# KiCad board Djinn.kicad_pcb (continued)
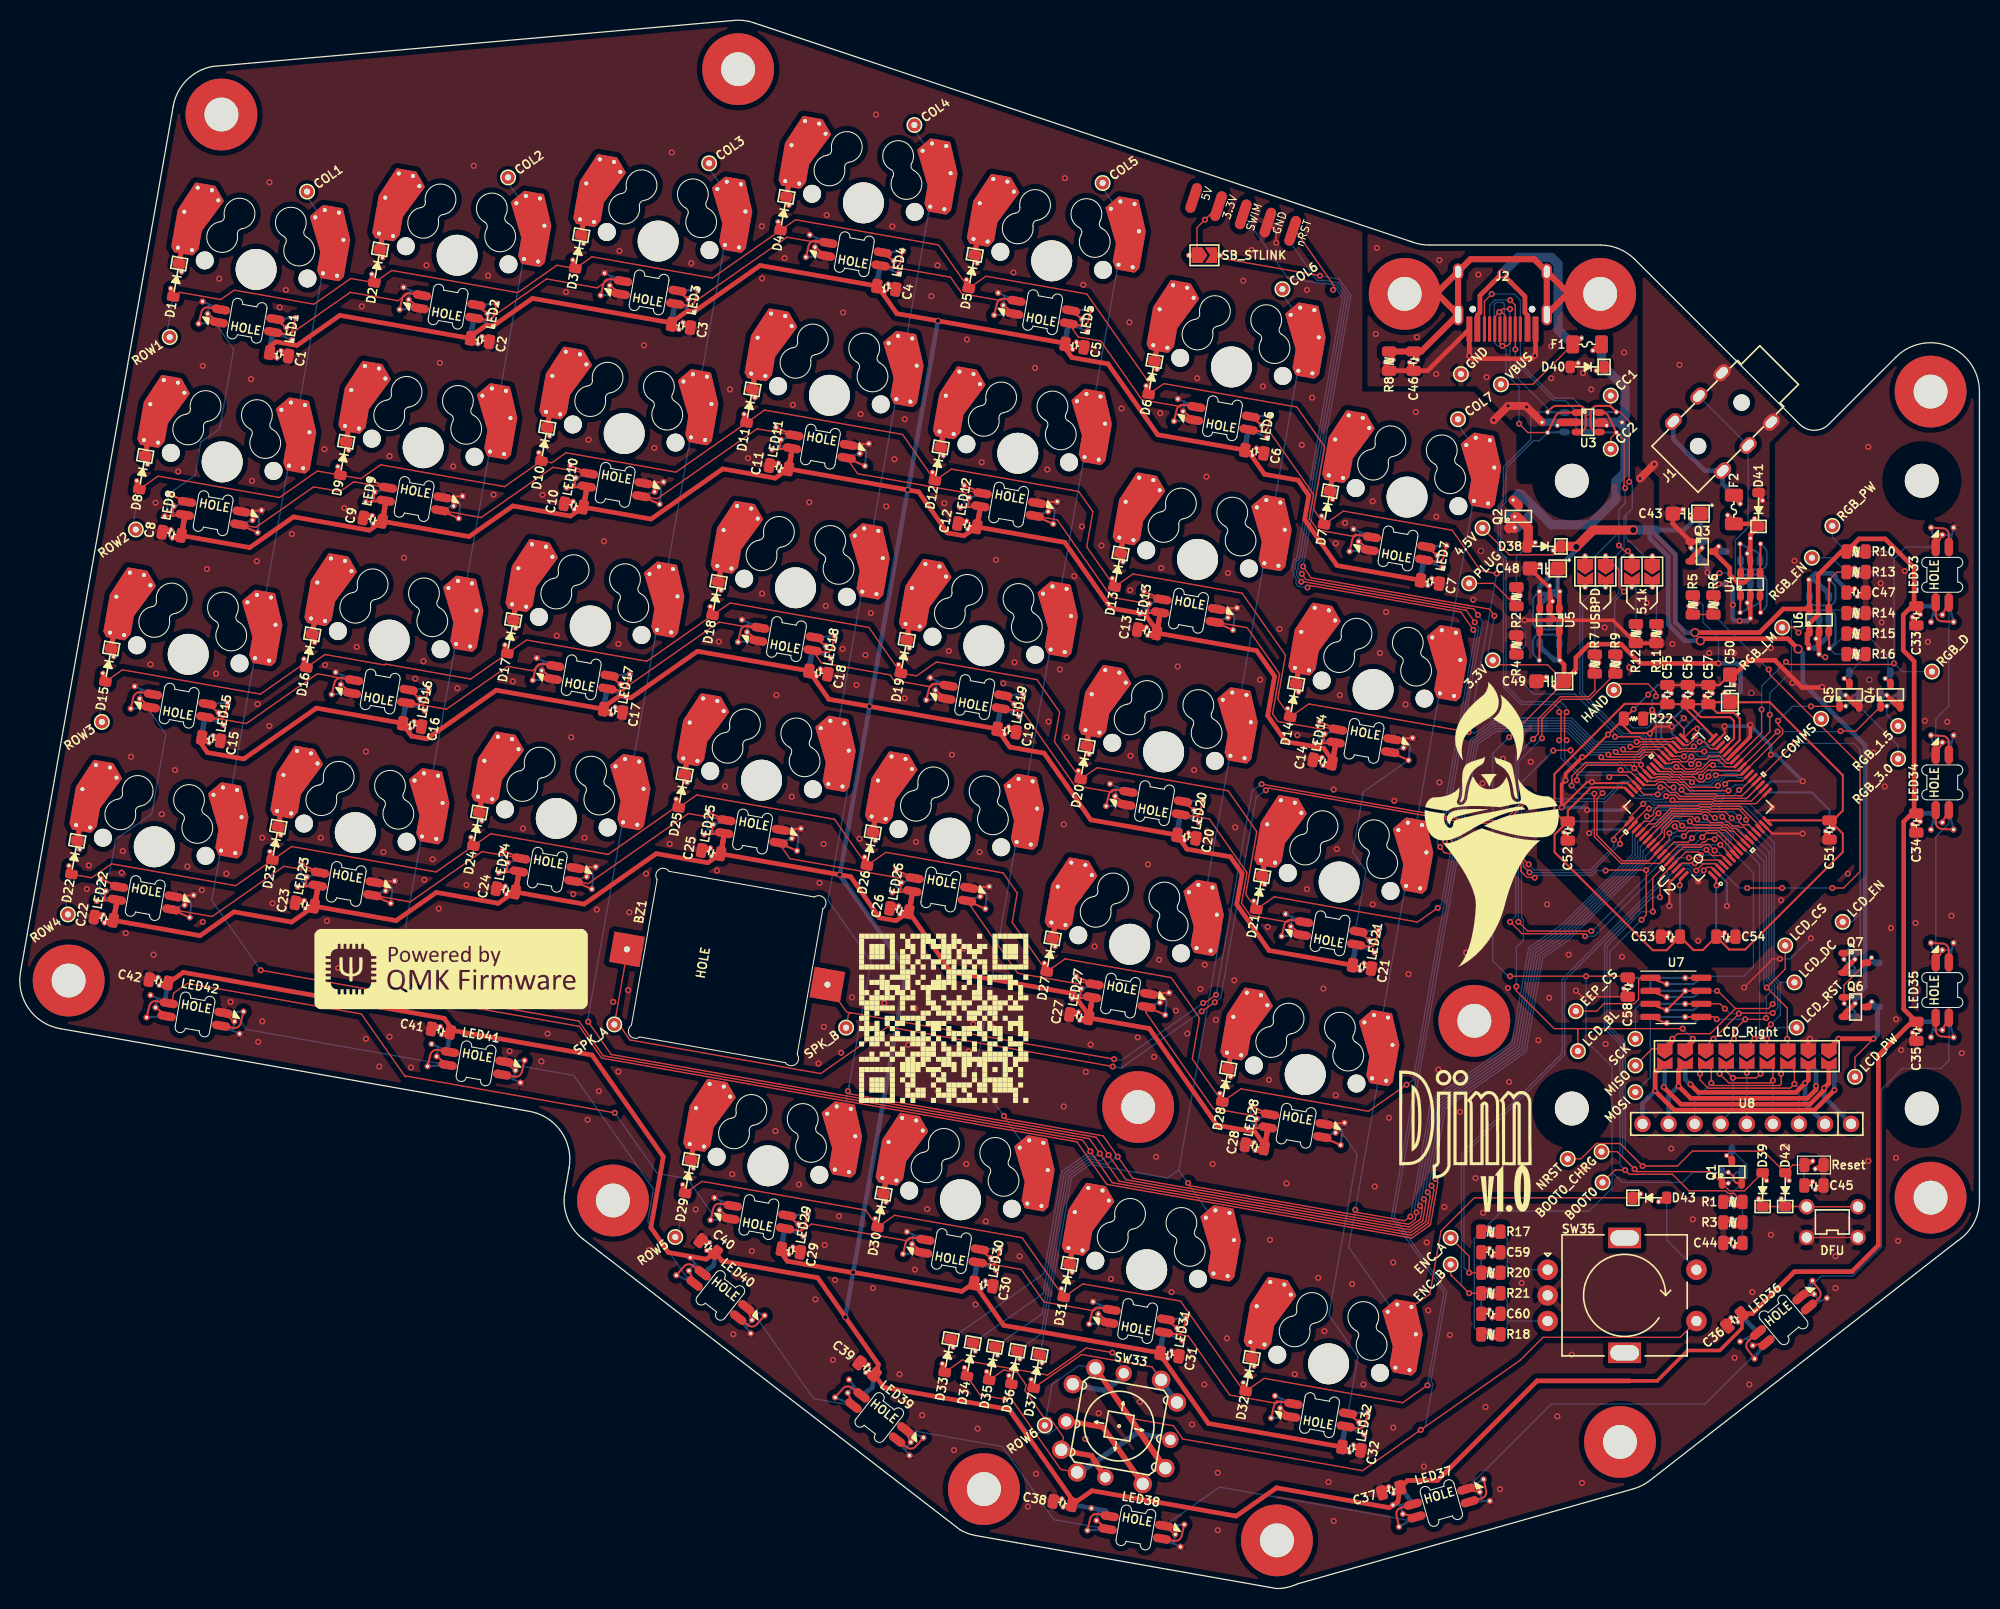
[diagram p0: board, top side]
## Footprints (pads in the part's own frame, mm; a bottom-side part is the same pattern mirrored in y, then rotated) (continued)
  custom 0.01x0.01 smd: 1(2.7,-4.44) 2(2.7,-5.72) 3(-2.7,-5.72) 4(-2.7,-4.44)
  oval 1.8x0.82 smd: 1(2.7,-4.44) 2(2.7,-5.72) 3(-2.7,-5.72) 4(-2.7,-4.44)
  custom 0.01x0.01 smd far side: 1(2.7,-5.72) 2(2.7,-4.44) 3(-2.7,-4.44) 4(-2.7,-5.72)
  oval 1.8x0.82 smd far side: 1(2.7,-5.72) 2(2.7,-4.44) 3(-2.7,-4.44) 4(-2.7,-5.72)
  round 0.6 hole 0.3: 1(3.9,-5.08) 1(4.6,-6.18) 2(4.6,-3.98) 3(-4.6,-3.98) 3(-3.9,-5.08) 4(-4.6,-6.18)
Piezo-KLJ-1625
  rect 3x3 hole 0.6: 1(0,9.916) 2(0,-9.916)
PJ-3136-B
  round 1.6 hole 1.6 unplated: (2.5,0) (8.5,0)
  oval 1.8x1.3 hole 1.3x0.8: R(5,3.4) R(5,-3.4) S(1.8,3.4) S(1.8,-3.4) T(8.5,3.4) T(8.5,-3.4)
PushButton_4.5mm
  round 1.5 hole 1: 1(-1.5,2.5) 1(-1.5,-2.5) 2(1.5,2.5) 2(1.5,-2.5)
R-0805_2012Metric
  custom 1.389x0.881 smd: 1(-0.938,0) 2(0.938,0)
  custom 1.389x0.881 smd far side: 1(-0.938,0) 2(0.938,0)
  rrect 0.975x1.4 smd: 1(-0.938,0) 2(0.938,0)
  rrect 0.975x1.4 smd far side: 1(-0.938,0) 2(0.938,0)
  round 0.5 hole 0.3: 1(-0.127,0.381) 2(0.127,-0.381)
R-0805_2012Metric#2
  rrect 0.975x1.4 smd: 1(-0.938,0) 2(0.938,0)
SK6812Mini-E
  custom 1.433x0.835 smd: 1(2.7,0.64) 3(-2.7,-0.64)
  oval 1.8x0.82 smd: 1(2.7,0.64) 2(2.7,-0.64) 3(-2.7,-0.64) 4(-2.7,0.64)
  custom 2.133x1.3 smd far side: 1(2.7,-0.64) 3(-2.7,0.64)
  oval 1.8x0.82 smd far side: 1(2.7,-0.64) 2(2.7,0.64) 3(-2.7,0.64) 4(-2.7,-0.64)
  round 0.6 hole 0.3: 1(3.9,0) 1(4.6,-1.1) 2(4.6,1.1) 3(-4.6,1.1) 3(-3.9,0) 4(-4.6,-1.1)
  custom 2.1x0.665 smd far side: 2(2.7,0.64) 4(-2.7,-0.64)
  custom 2.1x1.935 smd: 2(2.7,-0.64) 4(-2.7,0.64)
SOIC-8_3.9x4.9mm_P1.27mm
  custom 1.908x0.913 smd: 1(-2.5,1.905)
  rrect 1.95x0.6 smd: 1(-2.475,1.905) 2(-2.475,0.635) 3(-2.475,-0.635) 4(-2.475,-1.905) 5(2.475,-1.905) 6(2.475,-0.635) 7(2.475,0.635) 8(2.475,1.905)
  round 0.6 hole 0.3: 1(-0.9,1.305) 2(-0.9,0.035) 3(-0.9,-1.235) 4(-0.9,-2.505) 5(0.9,-1.905) 6(0.9,-0.635) 7(0.9,0.635) 8(0.9,1.905)
  rrect 1.95x0.6 smd far side: 1(2.475,1.905) 2(2.475,0.635) 3(2.475,-0.635) 4(2.475,-1.905) 5(-2.475,-1.905) 6(-2.475,-0.635) 7(-2.475,0.635) 8(-2.475,1.905)
  custom 3.708x0.913 smd far side: 1(2.5,1.905)
  custom 1.908x0.908 smd: 2(-2.5,0.635) 3(-2.5,-0.635)
  custom 3.708x0.908 smd far side: 2(2.5,0.635) 3(2.5,-0.635)
  custom 1.908x0.918 smd: 4(-2.5,-1.905)
  custom 3.708x0.918 smd far side: 4(2.5,-1.905)
  custom 3.708x0.416 smd far side: 5(-2.5,-1.905) 6(-2.5,-0.635) 7(-2.5,0.635) 8(-2.5,1.905)
  custom 1.908x0.416 smd: 5(2.5,-1.905) 6(2.5,-0.635) 7(2.5,0.635) 8(2.5,1.905)
SolderJumper-1.0x1.5mm
  round 0.5 hole 0.3: 1(-1.524,0) 2(1.524,0)
  custom 2.049x1.5 smd: 1(-0.725,0)
  custom 1.5x1.5 smd: 1(-0.725,0)
  custom 2.049x1.5 smd far side: 1(-0.725,0)
  custom 1.5x1.5 smd far side: 1(-0.725,0)
  custom 1.699x1.5 smd: 2(0.725,0)
  custom 1.15x1.5 smd: 2(0.725,0)
  custom 1.699x1.5 smd far side: 2(0.725,0)
  custom 1.15x1.5 smd far side: 2(0.725,0)
SolderJumper-1.0x1.5mm_x2
  round 0.5 hole 0.3: 1(-1.524,1) 2(1.524,1) 3(-1.524,-1) 4(1.524,-1)
  custom 2.049x1.5 smd: 1(-0.725,1) 3(-0.725,-1)
  custom 1.5x1.5 smd: 1(-0.725,1) 3(-0.725,-1)
  custom 2.049x1.5 smd far side: 1(-0.725,1) 3(-0.725,-1)
  custom 1.5x1.5 smd far side: 1(-0.725,1) 3(-0.725,-1)
  custom 1.699x1.5 smd: 2(0.725,1) 4(0.725,-1)
  custom 1.15x1.5 smd: 2(0.725,1) 4(0.725,-1)
  custom 1.699x1.5 smd far side: 2(0.725,1) 4(0.725,-1)
  custom 1.15x1.5 smd far side: 2(0.725,1) 4(0.725,-1)
SolderJumper-1.0x1.5mm_x9
  custom 1.5x1.5 smd: 1(-8,0.725) 3(-6,0.725) 5(-4,0.725) 7(-2,0.725) 9(0,0.725) 11(2,0.725) 13(4,0.725) 15(6,0.725) 17(8,0.725)
  custom 1.5x1.15 smd: 2(-8,-0.725) 4(-6,-0.725) 6(-4,-0.725) 8(-2,-0.725) 10(0,-0.725) 12(2,-0.725) 14(4,-0.725) 16(6,-0.725) 18(8,-0.725)
SOT-23-3
  custom 0.65x1.019 smd: 1(-1.7,0.95)
  oval 1.06x0.65 smd: 1(-1.7,0.95) 2(-1.7,-0.95) 3(0.5,0)
  round 0.5 hole 0.3: 1(-1.676,0.356) 2(-0.61,0.356) 3(1.016,0.508)
  custom 1.474x1.731 smd far side: 1(-0.627,-0.95)
  oval 1.06x0.65 smd far side: 1(-0.627,-0.95) 2(-0.627,0.95) 3(1.573,0)
  custom 1.515x1.731 smd: 2(-1.7,-0.95)
  custom 0.65x1.019 smd far side: 2(-0.627,0.95)
  custom 0.941x0.933 smd: 3(0.5,0)
  custom 0.982x0.933 smd far side: 3(1.573,0)
SOT-23-5
  round 0.5 hole 0.3: 1(-3.35,1) 2(-3.9,0) 2(-2.4,0.3) 3(-3.35,-1) 4(3.35,-1) 5(3.35,1)
  custom 2.075x0.65 smd: 1(-1.7,0.95) 3(-1.7,-0.95)
  oval 1.06x0.65 smd: 1(-1.7,0.95) 2(-1.7,0) 3(-1.7,-0.95) 4(0.5,-0.95) 5(0.5,0.95)
  custom 3.275x2.375 smd far side: 1(-0.5,-0.95)
  oval 1.06x0.65 smd far side: 1(-0.5,-0.95) 2(-0.5,0) 3(-0.5,0.95) 4(1.7,0.95) 5(1.7,-0.95)
  custom 2.625x0.725 smd: 2(-1.7,0)
  custom 2.325x0.725 smd far side: 2(-0.5,0)
  custom 3.9x2.975 smd far side: 3(-0.5,0.95)
  custom 3.275x0.65 smd: 4(0.5,-0.95) 5(0.5,0.95)
  custom 2.7x2.975 smd far side: 4(1.7,0.95)
  custom 2.075x2.375 smd far side: 5(1.7,-0.95)
SOT-23-6
  round 0.5 hole 0.3: 1(-3.35,1) 2(-3.9,0) 2(-2.4,0.3) 3(-3.35,-1) 4(3.35,-1) 5(2.4,0.3) 5(3.9,0) 6(3.35,1)
  custom 2.075x0.65 smd: 1(-1.7,0.95) 3(-1.7,-0.95)
  oval 1.06x0.65 smd: 1(-1.7,0.95) 2(-1.7,0) 3(-1.7,-0.95) 4(0.5,-0.95) 5(0.5,0) 6(0.5,0.95)
  custom 3.275x2.375 smd far side: 1(-0.5,-0.95)
  oval 1.06x0.65 smd far side: 1(-0.5,-0.95) 2(-0.5,0) 3(-0.5,0.95) 4(1.7,0.95) 5(1.7,0) 6(1.7,-0.95)
  custom 2.625x0.725 smd: 2(-1.7,0)
  custom 2.325x0.725 smd far side: 2(-0.5,0)
  custom 3.9x2.975 smd far side: 3(-0.5,0.95)
  custom 3.275x0.65 smd: 4(0.5,-0.95) 6(0.5,0.95)
  custom 2.7x2.975 smd far side: 4(1.7,0.95)
  custom 3.825x0.725 smd: 5(0.5,0)
  custom 1.125x0.725 smd far side: 5(1.7,0)
  custom 2.075x2.375 smd far side: 6(1.7,-0.95)
STLink_SideSocket
  oval 3x1 smd: 1(2.65,5.08) 3(2.65,2.54) 5(2.65,0) 7(2.65,-2.54) 9(2.65,-5.08)
  oval 3x1 smd far side: 2(2.65,5.08) 4(2.65,2.54) 6(2.65,0) 8(2.65,-2.54) 10(2.65,-5.08)
STM32G474RETx
  rrect 1.199x0.299 smd: 1(-5.75,3.75) 2(-5.75,3.25) 3(-5.75,2.75) 4(-5.75,2.25) 5(-5.75,1.75) 6(-5.75,1.25) 7(-5.75,0.75) 8(-5.75,0.25) 9(-5.75,-0.25) 10(-5.75,-0.75) 11(-5.75,-1.25) 12(-5.75,-1.75) 13(-5.75,-2.25) 14(-5.75,-2.75) 15(-5.75,-3.25) 16(-5.75,-3.75) 33(5.75,-3.75) 34(5.75,-3.25) 35(5.75,-2.75) 36(5.75,-2.25) 37(5.75,-1.75) 38(5.75,-1.25) 39(5.75,-0.75) 40(5.75,-0.25) 41(5.75,0.25) 42(5.75,0.75) 43(5.75,1.25) 44(5.75,1.75) 45(5.75,2.25) 46(5.75,2.75) 47(5.75,3.25) 48(5.75,3.75)
  rrect 0.299x1.199 smd: 17(-3.75,-5.75) 18(-3.25,-5.75) 19(-2.75,-5.75) 20(-2.25,-5.75) 21(-1.75,-5.75) 22(-1.25,-5.75) 23(-0.75,-5.75) 24(-0.25,-5.75) 25(0.25,-5.75) 26(0.75,-5.75) 27(1.25,-5.75) 28(1.75,-5.75) 29(2.25,-5.75) 30(2.75,-5.75) 31(3.25,-5.75) 32(3.75,-5.75) 49(3.75,5.75) 50(3.25,5.75) 51(2.75,5.75) 52(2.25,5.75) 53(1.75,5.75) 54(1.25,5.75) 55(0.75,5.75) 56(0.25,5.75) 57(-0.25,5.75) 58(-0.75,5.75) 59(-1.25,5.75) 60(-1.75,5.75) 61(-2.25,5.75) 62(-2.75,5.75) 63(-3.25,5.75) 64(-3.75,5.75)
TestPoint
  round 1.2 hole 0.6: 1(0,0)

## Nets
+3V3: C49.1 C50.1 C51.1 C52.1 C53.1 C54.1 C55.1 C56.1 C57.1 C58.1 Q1.2 R5.2 R17.1 R18.1 R19.1 SB3.2 TP7.1 U1.1 U1.16 U1.28 U1.29 U1.32 U1.48 U1.64 U2.1 U2.16 U2.28 U2.29 U2.32 U2.48 U2.64 U5.5 U7.3 U7.7 U7.8
/VBUS_BLOCKED: D38.2 Q2.2 R2.1
/VBUS_FUSED: D40.1 F1.1 Q2.3 U3.5
/VBUS_TRS: F2.2 J1.T
/VBUS_TRS_FUSED: D41.1 F2.1 Q3.3 U4.5
GND: C1.2 C2.2 C3.2 C4.2 C5.2 C6.2 C7.2 C8.2 C9.2 C10.2 C11.2 C12.2 C13.2 C14.2 C15.2 C16.2 C17.2 C18.2 C19.2 C20.2 C21.2 C22.2 C23.2 C24.2 C25.2 C26.2 C27.2 C28.2 C29.2 C30.2 C31.2 C32.2 C33.2 C34.2 C35.2 C36.2 C37.2 C38.2 C39.2 C40.2 C41.2 C42.2 C43.2 C44.2 C45.2 C46.2 C47.2 C48.2 C49.2 C50.2 C51.2 C52.2 C53.2 C54.2 C55.2 C56.2 C57.2 C58.2 C59.2 C60.2 D40.2 D41.2 J1.S J2.A1 J2.B1 J3.3 J3.4 J4.3 J5.15 JP1.2 LED1.3 LED2.3 LED3.3 LED4.3 LED5.3 LED6.3 LED7.3 LED8.3 LED9.3 LED10.3 LED11.3 LED12.3 LED13.3 LED14.3 LED15.3 LED16.3 LED17.3 LED18.3 LED19.3 LED20.3 LED21.3 LED22.3 LED23.3 LED24.3 LED25.3 LED26.3 LED27.3 LED28.3 LED29.3 LED30.3 LED31.3 LED32.3 LED33.3 LED34.3 LED35.3 LED36.3 LED37.3 LED38.3 LED39.3 LED40.3 LED41.3 LED42.3 Q2.1 Q3.1 Q4.2 Q5.2 Q7.2 R3.2 R4.1 R8.2 R11.2 R12.2 R13.2 R14.2 R22.1 SW34.1 SW35.C TP1.1 U1.15 U1.27 U1.31 U1.47 U1.63 U2.15 U2.27 U2.31 U2.47 U2.63 U3.2 U4.2 U5.2 U6.2 U7.4
VDD: C43.1 C47.1 C48.1 D38.1 Q3.2 Q6.2 TP5.1 U5.1 U5.3 U6.5
BOOT0: C44.1 R1.1 R3.1 TP10.1 U1.61 U2.61
BOOT0_CHRG: D39.2 Q1.1 TP12.1 U1.60 U2.60
CC1: J2.B5 R9.2 SB1.3 SB2.1 TP39.1 U3.4
CC2: J2.A5 R7.2 SB1.1 SB2.3 TP41.1 U3.6
COL1: SW1.2 SW8.2 SW15.2 SW22.2 TP9.1 U1.8 U2.8
COL2: D33.1 SW2.2 SW9.2 SW16.2 SW23.2 TP11.1 U1.9 U2.9
COL3: D34.1 SW3.2 SW10.2 SW17.2 SW24.2 TP13.1 U1.10 U2.10
COL4: D35.1 SW4.2 SW11.2 SW18.2 SW25.2 SW29.2 TP15.1 U1.11 U2.11
COL5: D36.1 SW5.2 SW12.2 SW19.2 SW26.2 SW30.2 TP16.1 U1.12 U2.12
COL6: D37.1 SW6.2 SW13.2 SW20.2 SW27.2 SW31.2 TP18.1 U1.13 U2.13
COL7: D43.1 SW7.2 SW14.2 SW21.2 SW28.2 SW32.2 TP20.1 U1.14 U2.14
CURR_1500mA_OK: Q4.1 TP22.1 U1.24 U2.24
CURR_3000mA_OK: Q5.1 TP24.1 U1.23 U2.23
CURR_LIM: R14.1 R15.1 R16.1 TP26.1 U6.3
D+: J2.A6 J2.B6 U1.46 U2.46 U3.3
D-: J2.A7 J2.B7 U1.45 U2.45 U3.1
EEP_CS: TP40.1 U1.58 U2.58 U7.1
ENC_A: C59.1 R20.1 TP44.1 U1.3 U2.3
ENC_B: C60.1 R21.1 TP45.1 U1.4 U2.4
LCD_BL_PWM: J4.15 J5.3 TP38.1 U1.21 U2.21
LCD_CS: J4.5 J5.13 TP33.1 U1.55 U2.55
LCD_DC: J4.9 J5.9 TP34.1 U1.51 U2.51
LCD_EN: Q7.1 TP31.1 U1.20 U2.20
LCD_L1_R9: J4.2 J5.2 U8.9
LCD_L2_R8: J4.4 J5.4 U8.8
LCD_L3_R7: J4.6 J5.6 U8.7
LCD_L4_R6: J4.8 J5.8 U8.6
LCD_L5_R5: J4.10 J5.10 U8.5
LCD_L6_R4: J4.12 J5.12 U8.4
LCD_L7_R3: J4.14 J5.14 U8.3
LCD_L8_R2: J4.16 J5.16 U8.2
LCD_L9_R1: J4.18 J5.18 U8.1
LCD_PWR: J4.1 J5.17 Q6.3 TP29.1
LCD_RST: J4.7 J5.11 TP36.1 U1.56 U2.56
MISO: J4.17 J5.1 TP4.1 U1.53 U2.53 U7.2
MOSI: J4.11 J5.7 TP6.1 U1.54 U2.54 U7.5
NRST: C45.1 D42.2 J3.1 JP1.1 TP8.1 U1.7 U2.7
PIEZO_A: BZ1.1 TP35.1 U1.18 U2.18
PIEZO_B: BZ1.2 TP37.1 U1.19 U2.19
PLUG_DETECT: R2.2 R4.2 TP43.1 U1.34 U2.34
Pre-Shield: C46.1 J2.S1 OUTLINE1.1 R8.1
ROT_A: R17.2 R20.2 SW35.A
ROT_B: R18.2 R21.2 SW35.B
ROW1: D1.2 D2.2 D3.2 D4.2 D5.2 D6.2 D7.2 TP23.1 U1.35 U2.35
ROW2: D8.2 D9.2 D10.2 D11.2 D12.2 D13.2 D14.2 TP25.1 U1.36 U2.36
ROW3: D15.2 D16.2 D17.2 D18.2 D19.2 D20.2 D21.2 TP27.1 U1.37 U2.37
ROW4: D22.2 D23.2 D24.2 D25.2 D26.2 D27.2 D28.2 TP28.1 U1.38 U2.38
ROW5: D29.2 D30.2 D31.2 D32.2 TP30.1 U1.39 U2.39
ROW6: SW33.4 SW35.S1 TP32.1 U1.40 U2.40
SCK: J4.13 J5.5 TP2.1 U1.52 U2.52 U7.6
SK6812_EN: R13.1 TP19.1 U1.25 U2.25 U6.4
SK6812_MTRX_IN: LED29.4 LED42.2
SK6812_PWM: LED33.4 R10.2 TP21.1 U1.26 U2.26
SK6812_PWR: C1.1 C2.1 C3.1 C4.1 C5.1 C6.1 C7.1 C8.1 C9.1 C10.1 C11.1 C12.1 C13.1 C14.1 C15.1 C16.1 C17.1 C18.1 C19.1 C20.1 C21.1 C22.1 C23.1 C24.1 C25.1 C26.1 C27.1 C28.1 C29.1 C30.1 C31.1 C32.1 C33.1 C34.1 C35.1 C36.1 C37.1 C38.1 C39.1 C40.1 C41.1 C42.1 LED1.1 LED2.1 LED3.1 LED4.1 LED5.1 LED6.1 LED7.1 LED8.1 LED9.1 LED10.1 LED11.1 LED12.1 LED13.1 LED14.1 LED15.1 LED16.1 LED17.1 LED18.1 LED19.1 LED20.1 LED21.1 LED22.1 LED23.1 LED24.1 LED25.1 LED26.1 LED27.1 LED28.1 LED29.1 LED30.1 LED31.1 LED32.1 LED33.1 LED34.1 LED35.1 LED36.1 LED37.1 LED38.1 LED39.1 LED40.1 LED41.1 LED42.1 R10.1 TP17.1 U6.1
SPLIT_COMMS: R5.1 R6.1 TP14.1 U1.62 U2.62
SPLIT_HAND_PIN: R19.2 R22.2 TP42.1 U1.33 U2.33
SWCLK: J3.6 U1.50 U2.50
SWDIO: J3.2 U1.49 U2.49
UCPD_CC1: SB2.2 U1.43 U1.59 U2.43 U2.59
UCPD_CC2: SB2.4 U1.44 U1.57 U2.44 U2.57
V_USB: F1.2 J2.A4 J2.B4 TP3.1
Net-(D1-Pad1): D1.1 SW1.1
Net-(D2-Pad1): D2.1 SW2.1
Net-(D3-Pad1): D3.1 SW3.1
Net-(D4-Pad1): D4.1 SW4.1
Net-(D5-Pad1): D5.1 SW5.1
Net-(D6-Pad1): D6.1 SW6.1
Net-(D7-Pad1): D7.1 SW7.1
Net-(D8-Pad1): D8.1 SW8.1
Net-(D9-Pad1): D9.1 SW9.1
Net-(D10-Pad1): D10.1 SW10.1
Net-(D11-Pad1): D11.1 SW11.1
Net-(D12-Pad1): D12.1 SW12.1
Net-(D13-Pad1): D13.1 SW13.1
Net-(D14-Pad1): D14.1 SW14.1
Net-(D15-Pad1): D15.1 SW15.1
Net-(D16-Pad1): D16.1 SW16.1
Net-(D17-Pad1): D17.1 SW17.1
Net-(D18-Pad1): D18.1 SW18.1
Net-(D19-Pad1): D19.1 SW19.1
Net-(D20-Pad1): D20.1 SW20.1
Net-(D21-Pad1): D21.1 SW21.1
Net-(D22-Pad1): D22.1 SW22.1
Net-(D23-Pad1): D23.1 SW23.1
Net-(D24-Pad1): D24.1 SW24.1
Net-(D25-Pad1): D25.1 SW25.1
Net-(D26-Pad1): D26.1 SW26.1
Net-(D27-Pad1): D27.1 SW27.1
Net-(D28-Pad1): D28.1 SW28.1
Net-(D29-Pad1): D29.1 SW29.1
Net-(D30-Pad1): D30.1 SW30.1
Net-(D31-Pad1): D31.1 SW31.1
Net-(D32-Pad1): D32.1 SW32.1
Net-(D33-Pad2): D33.2 SW33.1
Net-(D34-Pad2): D34.2 SW33.2
Net-(D35-Pad2): D35.2 SW33.3
Net-(D36-Pad2): D36.2 SW33.5
Net-(D37-Pad2): D37.2 SW33.6
Net-(D39-Pad1): D39.1 D42.1 SW34.2
Net-(D43-Pad2): D43.2 SW35.S2
Net-(J1-PadR): J1.R R6.2 U4.3
Net-(J3-Pad7): J3.7 J3.8 SB3.1
Net-(LED1-Pad2): LED1.2 LED2.4
Net-(LED1-Pad4): LED1.4 LED8.2
Net-(LED2-Pad2): LED2.2 LED3.4
Net-(LED3-Pad2): LED3.2 LED4.4
Net-(LED4-Pad2): LED4.2 LED5.4
Net-(LED5-Pad2): LED5.2 LED6.4
Net-(LED6-Pad2): LED6.2 LED7.4
Net-(LED7-Pad2): LED7.2
Net-(LED8-Pad4): LED8.4 LED9.2
Net-(LED10-Pad2): LED9.4 LED10.2
Net-(LED10-Pad4): LED10.4 LED11.2
Net-(LED11-Pad4): LED11.4 LED12.2
Net-(LED12-Pad4): LED12.4 LED13.2
Net-(LED13-Pad4): LED13.4 LED14.2
Net-(LED14-Pad4): LED14.4 LED21.2
Net-(LED15-Pad2): LED15.2 LED16.4
Net-(LED15-Pad4): LED15.4 LED22.2
Net-(LED16-Pad2): LED16.2 LED17.4
Net-(LED17-Pad2): LED17.2 LED18.4
Net-(LED18-Pad2): LED18.2 LED19.4
Net-(LED19-Pad2): LED19.2 LED20.4
Net-(LED20-Pad2): LED20.2 LED21.4
Net-(LED22-Pad4): LED22.4 LED23.2
Net-(LED23-Pad4): LED23.4 LED24.2
Net-(LED24-Pad4): LED24.4 LED25.2
Net-(LED25-Pad4): LED25.4 LED26.2
Net-(LED26-Pad4): LED26.4 LED27.2
Net-(LED27-Pad4): LED27.4 LED28.2
Net-(LED28-Pad4): LED28.4 LED32.2
Net-(LED29-Pad2): LED29.2 LED30.4
Net-(LED30-Pad2): LED30.2 LED31.4
Net-(LED31-Pad2): LED31.2 LED32.4
Net-(LED33-Pad2): LED33.2 LED34.4
Net-(LED34-Pad2): LED34.2 LED35.4
Net-(LED35-Pad2): LED35.2 LED36.4
Net-(LED36-Pad2): LED36.2 LED37.4
Net-(LED37-Pad2): LED37.2 LED38.4
Net-(LED38-Pad2): LED38.2 LED39.4
Net-(LED39-Pad2): LED39.2 LED40.4
Net-(LED40-Pad2): LED40.2 LED41.4
Net-(LED41-Pad2): LED41.2 LED42.4
Net-(Q1-Pad3): Q1.3 R1.2
Net-(Q4-Pad3): Q4.3 R15.2
Net-(Q5-Pad3): Q5.3 R16.2
Net-(Q6-Pad1): Q6.1 Q7.3
Net-(R7-Pad1): R7.1 U1.5 U2.5
Net-(R9-Pad1): R9.1 U1.6 U2.6
Net-(R11-Pad1): R11.1 SB1.4
Net-(R12-Pad1): R12.1 SB1.2
Net-(U1-Pad2): U1.2 U2.2
Net-(U1-Pad17): U1.17 U2.17
Net-(U1-Pad22): U1.22 U2.22
Net-(U1-Pad30): U1.30 U2.30
Net-(U1-Pad41): U1.41 U2.41
Net-(U1-Pad42): U1.42 U2.42
Net-(U4-Pad1): U4.1
Net-(U4-Pad4): U4.4
Net-(U4-Pad6): U4.6
Net-(U5-Pad4): U5.4

Pads without a net: J2 ~; J3 5 9 10; OUTLINE1 ~; SW35 MP

## Via types
v1: diameter 0.6, hole 0.3, Top to Bottom, 615 vias
v2: diameter 0.6, hole 0.4, Top to Bottom, 9 vias
v3: diameter 0.9, hole 0.6, Top to Bottom, 6 vias

## Routing (per net, layer and track width the routed paths; a pad name or vN(x,y) marks a point on that pad's centre or on a via; arc(x,y) is an arc through that point)
+3V3: length 393.8
  Top w0.127: v1(143.62,94.82) 143.17,95.46 138.8,96.23 125.75,98.53 v1(124.98,99.63) ; 143.9,90.05 143.86,90.09 ; 143.9,90.05 148.8,90.05 C49.1 150.41,88.34 v1(145.06,82.99) ; 143.9,90.05 TP7.1 ; v1(145.16,59.69) v1(152.56,59.69) 156.49,59.69 C58.1 ; v1(126.63,127.97) 117.11,129.65 SB3.2 ; 149.79,88.75 149.79,88.44
  Top w0.203: C50.1 166.57,86.54 ; C50.1 170.45,86.39 177.57,79.27 177.57,75.84 176.61,74.88 C51.1 ; C50.1 164.66,86.39 C57.1 ; C57.1 C56.1 163.74,84.94 166.6,84.94 166.96,84.58 166.96,82.85 U2.29 ; C57.1 165.32,85.36 166.96,85.36 167.52,84.8 167.52,82.7 U2.28 ; v1(165.27,68.54) 165.24,68.58 165.24,69.15 U2.1 ; v1(161.67,68.54) 161.71,68.5 161.71,69.11 U2.64 ; C51.1 170.31,74.88 U2.16 ; C51.1 177.57,73.58 177.57,71.8 168.06,62.29 166.49,62.29 C54.1 163.94,62.24 163.01,62.24 C53.1 160.39,62.22 159.04,62.22 149.48,71.78 149.48,73.49 C52.1 ; C52.1 150.43,74.78 149.46,75.74 149.46,79.39 156.31,86.24 160.44,86.24 C55.1 161.83,86.2 164.91,83.13 U2.32 ; C52.1 150.77,75.82 153.04,78.09 156.3,78.09 U2.48 ; U7.3 162.21,58.19 U7.7
  Top w0.45: v1(165.46,90.19) 157.83,90.19 155.96,92.06 152.87,92.06 151.56,90.75 151.56,89.59 C49.1 150.41,90.07 U5.5 149.94,90.54 U5.5
  Bottom w0.127: v1(165.46,90.19) 165.46,92.69 163.96,94.19 163.96,95.82 R5.2 ; Q1.2 162.93,40.56 161.96,39.59 156.06,39.59 155.08,40.56 ; v1(143.62,94.82) 143.63,94.81 143.01,91.3 143.16,91.08 143.16,90.79 TP7.1 ; v1(145.06,82.99) 143.46,81.39 143.46,61.19 144.96,59.69 v1(145.16,59.69) ; 159.37,84.77 159.37,84.74 158.54,83.9 157.13,83.9 R19.1 ; 155.08,40.56 155.08,50.86 152.56,53.39 v1(152.56,59.69) ; 155.08,40.56 155.08,39.01 152.86,36.79 144.34,36.79 R17.1 141.65,34.1 141.65,25.45 R18.1 ; v1(126.63,127.97) 128.5,127.64 129.63,126.02 v1(124.98,99.63)
  Bottom w0.203: C55.1 159.37,85.1 159.37,82.79 U1.28 ; U1.48 174.55,77.61 176.27,75.89 C51.1 ; C56.1 161.21,84.94 160.22,84.94 159.87,84.59 159.87,83 U1.29 ; C57.1 162.08,83.81 U1.32 ; U2.1 165.24,69.15 C54.1 ; C53.1 161.71,69.11 U2.64 ; C52.1 156.77,74.78 U1.16 ; C58.1 156.64,59.53 U7.8 158.84,58.29 U7.7
  Bottom w0.45: C50.1 167.6,87.42 167.6,89.84 167.26,90.19 v1(165.46,90.19) ; U5.5 149.45,90.49 148.04,91.9 U5.5
/VBUS_BLOCKED: length 8.6
  Top w0.9: 145.6,104.46 145.86,104.46 146.91,103.41 Q2.2 146.91,101.69 D38.2
  Bottom w0.127: D38.2 145.76,100.54 R2.1
  Bottom w0.9: Q2.2 145.41,104.46 145.51,104.56
/VBUS_FUSED: length 34.5
  Top w0.762: U3.5 154.26,113.69 154.35,113.59 153.69,113.59
  Top w0.9: Q2.3 145.96,105.59 Q2.3
  Bottom w0.9: Q2.3 145.96,106.61 Q2.3 146.22,106.66 149.19,103.69 152.96,103.69 155.46,106.19 155.46,107.71 155.46,107.71 155.46,107.92 156.36,108.82 156.36,113.09 155.77,113.69 ; F1.1 154.06,119.34 D40.1 156.36,117.04 156.36,114.28 155.77,113.69 ; 155.77,113.69 U3.5
/VBUS_TRS: length 10.6
  Bottom w0.45: F2.2 165.87,107.67 J1.T 164.13,108.96 161.06,112.03 J1.T
/VBUS_TRS_FUSED: length 15.5
  Top w0.45: Q3.3 164.97,101.09 Q3.3 166.56,99.49 166.56,98.84 167.32,98.08 167.98,98.08 168.56,98.66 U4.5 168.56,102.74 D41.1 ; F2.1 169.11,103.79 D41.1
  Bottom w0.45: U4.5 168.56,100.59 U4.5 ; 166.03,101.09 165.98,101.09 Q3.3
GND: length 226.2
  Top w0.127: 174.2,52.62 174.2,53.43 v1(174.36,53.59) ; J3.3 122.36,132.34 v1(122.36,131.19) ; v1(167.96,58.59) 170.76,61.39 v1(171.46,61.39) ; SW34.1 SW34.1 ; U6.2 175.56,90.79 v1(175.86,90.79) ; C58.2 152.15,57.69 v1(151.56,58.29)
  Top w0.203: R22.1 v1(154.69,83.25) 152.49,81.04 v1(152.17,81.04) ; R22.1 156.26,84.79 v1(157.17,85.71) ; R22.1 156.24,84.08 156.94,83.39 158.73,83.39 v1(158.77,83.34) 158.77,83.44 159.36,84.03 v1(160.9,84.03) ; v1(166.04,84.05) 166.04,83.34 U2.31 ; C50.2 165.56,88.08 C57.2 C56.2 C55.2 ; U2.63 160.67,68.78 v1(160.67,66.54) ; U2.15 170.7,73.59 v1(173.66,73.59) ; U2.47 156.58,78.51 153.22,78.51 v1(153.12,78.61) 152.65,78.61 v1(150.17,76.14)
  Top w0.35: U5.2 U5.2 148.79,97.74 C48.2 ; U5.2 148.99,95.94 U5.2 ; U5.2 148.99,95.05 149.66,94.39 150.36,94.39 ; v1(152.17,81.04) 150.56,79.42 v1(150.56,78.79) 150.17,78.4 v1(150.17,76.14) ; R11.2 R12.2 155.17,94.39 150.36,94.39 ; 150.36,94.39 v1(146.56,94.39) ; U2.27 168.56,83.03 v1(168.56,84.19)
  Top w0.45: Q4.2 182.94,85.99 Q4.2 ; Q7.2 177.66,60.25 Q7.2 ; Q3.1 162.76,101.46 Q3.1 161.01,103.79 C43.2 ; U6.2 U6.2 175.26,92.89 U6.2 ; U4.2 168.56,96.39 U4.2 U4.2 ; v1(174.36,53.59) 174.21,53.44 J5.15 ; Q5.2 178.94,85.99 Q5.2 ; C50.2 167.03,89.09 168.42,90.49 170.96,90.49 173.61,87.84 175.31,87.84 ; J2.A1 147.63,120.25 v1(147.56,120.19) 147.26,119.89 141.46,119.89 v1(141.16,120.19) 141.18,120.2 J2.A1 137.12,118.71 C46.2 R8.2
  Top w0.762: v1(143.56,113.89) v1(144.96,115.29) 146.66,115.29 v1(146.76,115.19) U3.2 ; v1(157.8,108.2) v1(159.2,109.6) ; U3.2 150.06,113.69
  Top w0.9: Q2.1 145.45,103.39 145.51,103.32
  Bottom w0.127: v1(171.46,61.39) 172.46,61.39 v1(174.46,63.39) ; v1(174.36,53.59) 174.2,53.43 174.2,52.62 ; J3.3 122.36,132.34 v1(122.36,131.19)
  Bottom w0.203: v1(166.27,66.54) 166.27,68.82 U1.63 ; C55.2 159.54,88.08 v1(158.6,87.14) v1(157.17,85.71) ; v1(158.77,83.34) 158.84,83.27 158.84,82.61 U1.27 ; v1(162.07,84.84) 161.26,84.03 v1(160.9,84.03) 160.9,83.38 U1.31 ; v1(152.87,73.63) 153.22,73.99 156.69,73.99 U1.15 ; U1.47 170.58,78.69 v1(173.66,78.69)
  Bottom w0.35: v1(150.17,76.14) 152.4,76.14 v1(152.66,75.89) 156.02,75.89 v1(156.27,76.14) ; v1(166.04,84.05) 168.42,84.05 v1(168.56,84.19) 170.56,82.19 v1(170.56,81.29) 171.06,81.29 v1(173.66,78.69) ; U5.2 148.99,95.94 U5.2
  Bottom w0.45: Q3.1 163.83,100.39 163.83,100.14 164.37,99.59 v1(164.37,99.05) 164.37,99.01 v1(165.48,97.91) 166.54,97.91 v1(166.56,97.89) 166.86,97.59 v1(166.86,95.89) 166.86,94.56 167.08,94.34 v1(167.51,94.34) 168.31,94.34 U4.2 ; v1(147.56,120.19) 147.63,120.25 J2.A1 ; Q7.2 178.73,61.36 Q7.2 ; U4.2 168.56,96.39 U4.2 ; Q5.2 177.84,87.07 Q5.2 ; Q4.2 181.84,87.07 Q4.2 ; 140.74,122.34 J2.A1 141.18,120.2 v1(141.16,120.19) ; J5.15 174.21,53.44 v1(174.36,53.59) ; U6.2 175.26,92.89 U6.2
  Bottom w0.762: v1(157.8,108.2) v1(159.2,109.6) ; v1(143.56,113.89) v1(144.96,115.29) ; U3.2 U3.2
  Bottom w0.9: 145.6,103.41 145.86,103.41 Q2.1
  vias: v1(6.46,68.19) v1(6.66,70.49) v1(9.86,69.79) v1(9.96,71.89) v1(10.26,63.89) v1(10.76,81.09) v1(12.66,90.09) v1(12.96,61.79) v1(13.16,105.84) v1(13.76,75.49) v1(15.06,79.79) v1(15.36,108.89) v1(16.26,70.39) v1(17.66,68.09) v1(17.76,119.19) v1(17.76,64.99) v1(18.16,99.39) v1(19.06,89.19) v1(19.36,127.69) v1(20.06,69.69) v1(20.46,57.19) v1(22.46,117.89) v1(22.56,107.99) v1(23.02,100.14) v1(23.1,86.22) v1(23.16,53.29) v1(23.56,73.19) v1(23.56,55.29) v1(24.26,137.09) v1(24.25,84.08) v1(24.56,66.79) v1(25.26,124.89) v1(25.86,126.59) v1(26.43,102.79) v1(29.26,73.19) v1(29.62,111.06) v1(29.67,90.03) v1(29.86,65.09) v1(30.96,60.49) v1(31.55,105.34) v1(32.76,91.79) v1(33.26,124.99) v1(33.66,81.59) v1(33.66,53.59) v1(34.96,50.89) v1(35.36,71.79) v1(35.96,110.39) v1(35.96,53.79) v1(37.36,100.49) v1(38.06,50.79) v1(38.47,88.69) v1(39.26,90.39) v1(39.36,69.09) v1(39.56,128.99) v1(40.16,71.09) v1(40.76,66.29) v1(40.86,119.49) v1(42.16,109.39) v1(42.57,87.76) v1(43.46,68.59) v1(44.16,138.69) v1(45.56,127.99) v1(46.1,106.63) v1(47.66,58.69) v1(47.66,52.39) v1(47.97,88.43) v1(48.96,74.09) v1(50.76,51.39) v1(50.87,106.61) v1(51.36,54.09) v1(52.26,92.89) v1(53.16,126.39) v1(53.66,82.99) v1(53.86,67.69) v1(54.96,73.19) v1(55.26,45.69) v1(55.36,111.99) v1(56.16,66.19) v1(56.36,48.49) v1(56.86,102.09) v1(57.76,57.19) v1(58.26,92.09) v1(58.26,50.39) v1(58.36,130.39) v1(59.21,58.32) v1(59.33,65.92) v1(60.76,121.19) v1(60.96,69.69) v1(61.26,32.99) v1(61.76,111.19) v1(63.26,72.59) v1(63.46,139.99) v1(65.36,129.19) v1(65.8,36.95) v1(67.86,69.99) v1(68.04,92.3) v1(68.66,78.19) v1(69.13,116.89) v1(69.36,40.39) v1(69.46,24.79) v1(70.89,110.18) v1(71.26,32.89) v1(72.24,132.79) v1(72.26,127.71) v1(72.26,96.99) v1(73.56,44.59) v1(73.66,87.09) v1(74.46,129.69) v1(75.16,77.19) v1(75.26,115.39) v1(75.86,39.39) v1(76.86,105.89) v1(77.46,28.19) v1(77.76,51.19) v1(77.86,68.79) v1(78.26,72.59) v1(78.28,54.76) v1(78.36,33.49) v1(78.46,95.79) v1(78.56,133.89) v1(79.16,22.29) v1(79.36,30.09) v1(79.76,36.29) v1(79.96,52.23) v1(80.1,91.6) v1(80.16,124.39) v1(81.02,57.63) v1(81.46,88.09) v1(81.76,73.09) v1(81.86,114.49) v1(82.33,91) v1(82.86,95.09) v1(82.96,33.29) v1(83.06,29.29) v1(83.36,143.69) v1(83.56,53.49) v1(84.17,57.07) v1(84.36,105.49) v1(84.96,132.79) v1(85.16,110.09) v1(85.66,20.89) v1(86.16,113.99) v1(86.16,86.78) v1(86.5,53) v1(87.12,56.55) v1(87.16,31.09) v1(87.26,72.79) v1(87.86,16.89) v1(88.36,36.99) v1(88.76,125.99) v1(89.36,128.99) v1(89.36,48.49) v1(90.02,105.79) v1(90.46,91.39) v1(90.76,81.29) v1(90.96,13.49) v1(91.86,62.39) v1(92.16,41.39) v1(92.22,121.75) v1(92.38,52.37) v1(92.85,55.03) v1(93.06,27.69) v1(93.26,15.59) v1(93.46,71.79) v1(93.66,109.79) v1(94.06,35.79) v1(94.35,52.03) v1(94.82,54.68) v1(95.06,100.29) v1(95.76,88.23) v1(96.76,128.29) v1(96.86,90.29) v1(97.36,32.39) v1(98.16,7.99) v1(98.86,118.99) v1(98.96,11.19) v1(100.06,109.09) v1(100.18,84.51) v1(101.28,89.59) v1(101.36,26.09) v1(101.66,74.49) v1(101.66,46.99) v1(101.76,137.49) v1(101.94,82.98) v1(102.68,98.69) v1(103.43,103.53) v1(103.56,127.09) v1(103.8,50.36) v1(103.76,14.59) v1(104.27,53.02) v1(104.66,62.59) v1(105.06,17.09) v1(105.34,101.67) v1(106.26,30.19) v1(107.29,115.04) v1(108.06,123.43) v1(108.12,97.32) v1(108.16,81.19) v1(108.86,53.73) v1(109.06,18.19) v1(109.86,70.59) v1(110.46,51.82) v1(110.66,42.09) v1(110.96,61.29) v1(111.06,114.57) v1(111.16,99.49) v1(112.16,28.89) v1(112.57,56.33) v1(112.76,89.89) v1(113.7,54.1) v1(114.16,15.99) v1(114.36,79.79) v1(114.66,117.99) v1(114.98,58.44) v1(115.39,60.8) v1(115.36,19.89) v1(115.56,108.39) v1(116.16,41.39) v1(116.48,55.43) v1(116.66,11.29) v1(116.66,5.69) v1(117.56,24.39) v1(117.66,98.99) v1(118.27,59.28) v1(118.36,74.19) v1(119.16,127.49) v1(119.96,130.49) v1(120.8,88.59) v1(121.06,117.19) v1(121.53,64.5) v1(121.66,49.59) v1(121.76,33.99) v1(122.69,93.53) v1(123.36,39.49) v1(124.16,20.89) v1(124.41,83.18) v1(124.86,111.49) v1(125.36,126.59) v1(125.36,68.19) v1(125.86,116.09) v1(126.46,30.29) v1(126.96,58.49) v1(127.06,25.09) v1(127.46,10.39) v1(127.96,77.89) v1(127.96,6.59) v1(128.16,101.89) v1(128.16,48.09) v1(128.26,72.09) v1(128.56,87.09) v1(129.06,103.89) v1(129.76,29.69) v1(130.86,19.89) v1(131.76,105.99) v1(131.76,66.69) v1(131.96,39.19) v1(132.06,122.29) v1(132.16,130.69) v1(132.46,91.19) v1(133.06,95.19) v1(133.36,45.89) v1(133.76,31.79) v1(133.76,15.69) v1(133.86,76.79) v1(134.96,86.19) v1(135.26,59.89) v1(135.96,114.69) v1(136.06,121.99) v1(136.76,11.89) v1(137.02,33.74) v1(137.17,27.11) v1(137.96,118.39) v1(137.96,104.49) v1(138.16,50.59) v1(138.26,129.49) v1(138.26,78.59) v1(138.75,37.19) v1(139.29,24.71) v1(140.28,46.46) v1(140.86,61.99) v1(141.56,96.39) v1(141.78,40.01) v1(141.96,73.19) v1(142.06,128.09) v1(142.46,78.49) v1(142.51,36.63) v1(142.76,17.69) v1(142.86,118.09) v1(143.16,87.59) v1(144.16,9.69) v1(144.46,80.89) v1(144.46,73.19) v1(144.95,58.54) v1(145.06,49.39) v1(146.27,29.77) v1(147.06,73.99) v1(147.16,80.59) v1(147.91,53.45) v1(148.76,66.69) v1(148.96,57.59) v1(149.16,121.09) v1(149.16,117.99) v1(149.76,16.79) v1(150.86,61.79) v1(151.16,22.79) v1(152.16,10.29) v1(152.26,118.49) v1(152.36,40.89) v1(153.06,116.89) v1(153.36,95.99) v1(154.36,93.69) v1(154.46,53.09) v1(156.06,61.59) v1(156.26,120.49) v1(156.56,55.99) v1(156.76,89.79) v1(158.46,96.09) v1(160.86,42.89) v1(160.96,92.09) v1(161.66,119.29) v1(162.96,35.99) v1(163.47,68.94) v1(163.47,63.14) v1(164.56,91.19) v1(166.96,91.19) v1(167.02,22.49) v1(168.46,19.89) v1(168.76,28.89) v1(170.56,91.69) v1(170.56,34.49) v1(170.67,76.14) v1(171.56,67.09) v1(171.96,43.09) v1(172.66,88.29) v1(172.86,100.19) v1(175.56,87.89) v1(176.86,32.39) v1(176.86,29.29) v1(178.06,69.69) v1(180.06,111.29) v1(180.06,41.69) v1(180.56,81.49) v1(181.26,97.99) v1(181.36,94.19) v1(181.66,78.19) v1(182.26,64.39) v1(182.76,55.49) v1(182.76,41.99) v1(182.96,33.89) v1(183.26,52.49) v1(183.61,99.19) v1(184.66,64.89) v1(185.56,84.59) v1(185.86,92.29) v1(187.76,84.49) v1(188.16,65.59) v1(189.16,52.19) v2(142.31,101.14) v2(168.66,87.29) v2(180.16,88.59)
VDD: length 154.8
  Top w0.127: D38.1 149.29,100.77 145.07,100.77 TP5.1 ; C48.1 149.79,97.39 U5.1
  Top w0.45: U5.3 148.04,97.14 U5.3 ; v3(163.69,92.39) 163.89,92.59 172.22,92.59 v3(173.22,91.59) ; Q3.2 162.76,100.35 Q3.2 ; U6.5 174.31,98.29 U6.5 171.76,95.49 169.46,93.19 v3(163.16,93.19) ; Q6.2 177.68,55.95 Q6.2 ; U5.1 149.94,97.14 U5.1
  Top w0.9: v3(157.16,103.19) 153.26,103.19 v3(151.61,101.54) 151.56,101.59 D38.1
  Bottom w0.45: 148.04,95.91 U5.1 ; 148.04,95.91 148.99,96.86 149.59,96.86 149.94,96.51 ; 148.04,95.91 149.32,97.19 U5.1 ; Q3.2 163.83,101.46 Q3.2 163.71,102.16 C43.1 162.11,103.19 159.36,103.19 159.36,102.69 161.26,100.79 161.26,94.19 162.26,93.19 v3(163.16,93.19) ; 149.94,96.51 149.52,96.94 148.24,96.94 U5.3 147.99,97.64 C48.1 ; 149.94,96.51 U5.3 149.94,97.14 U5.1 ; 158.76,103.09 158.76,102.39 160.56,100.59 160.56,93.99 162.16,92.39 v3(163.69,92.39) ; C48.1 149.79,97.39 U5.1 ; C48.1 151.61,101.25 v3(151.61,101.54) ; U6.5 176.21,96.94 174.81,98.34 U6.5 174.88,98.96 176.56,98.96 176.88,98.64 176.88,98.43 177.92,97.39 C47.1 ; v3(173.22,91.59) 173.67,91.14 173.67,88.27 179.75,82.19 179.75,58.63 Q6.2 178.75,57.06 Q6.2
  Bottom w0.9: 159.36,103.19 v3(157.16,103.19)
BOOT0: length 59.2
  Top w0.127: v1(163.76,71.5) 163.46,71.8 162.28,71.8 U2.61 159.76,69.28 v1(159.76,67.39) ; TP10.1 155.36,40.79 v1(156.36,40.79) 156.76,40.39 160.96,40.39 162.58,38.76 166.16,38.76 166.41,38.51 166.97,38.51 R1.1
  Bottom w0.127: U1.61 165.75,70.54 164.79,71.5 v1(163.76,71.5) ; R1.1 R3.1 C44.1 ; v1(156.36,40.79) 155.86,41.29 155.86,53.07 154.35,54.57 154.35,62.74 159,67.39 v1(159.76,67.39)
BOOT0_CHRG: length 59.3
  Top w0.127: v1(165.07,71.94) 164.47,72.54 164.26,72.54 164.21,72.49 164.01,72.49 163.76,72.24 162.01,72.24 U2.60 159.06,69.29 v1(159.06,65.99) ; TP12.1 155.57,42.59 v1(157.28,40.88) 157.52,40.64 164.65,40.64 Q1.1 166.53,38.76 167.99,38.76 D39.2
  Bottom w0.127: v1(165.07,71.94) 165.3,71.94 166.32,70.92 U1.60 ; v1(159.06,65.99) 157.96,65.99 154.6,62.63 154.6,54.68 156.11,53.17 156.11,42.05 v1(157.28,40.88)
CC1: length 56.4
  Top w0.127: v1(143.36,126.19) 142.65,125.48 J2.B5 ; v1(156.25,97.19) 155.76,97.68 155.76,99.31 155.21,99.86 SB2.1 ; TP39.1 154.96,115.24 U3.4 155.86,114.69 156.76,113.79 v1(156.76,107.89)
  Bottom w0.127: R9.2 155.36,91.1 155.36,96.29 v1(156.25,97.19) ; v1(156.76,107.89) 157.06,107.59 157.06,105.29 156.46,104.69 ; 156.46,104.69 156.25,104.48 156.25,101.45 154.66,99.86 SB2.1 ; 156.46,104.69 156.46,102.41 159.01,99.86 ; U3.4 151.25,116.04 149.5,116.04 146.15,119.39 J2.B5 146.15,125.59 145.56,126.19 v1(143.36,126.19)
CC2: length 53.6
  Top w0.127: v1(145.66,120.79) 145.65,120.79 J2.A5 145.65,125.09 v1(145.16,125.59) ; v1(156.36,107.28) 156.26,107.38 156.26,111.94 U3.6 154.96,112.14 TP41.1 ; SB1.1 156.62,101.05 v1(156.62,101.13) 156.31,101.13 v1(155.76,101.69)
  Bottom w0.127: 155.76,103.79 v1(155.76,101.69) ; 155.76,103.79 155.76,102.97 152.65,99.86 SB2.3 ; 155.76,103.79 155.76,105.19 156.36,105.79 v1(156.36,107.28) ; v1(145.66,120.79) 145.66,119.52 149.4,115.79 150.56,115.79 151.56,114.79 151.56,113.18 152,112.74 U3.6 ; R7.2 153.41,94.7 155.76,97.05 155.76,100.27 v1(156.62,101.13) ; v1(145.16,125.59) 145.12,125.62 143.66,125.62 143.15,125.11 J2.A5
COL1: length 254.3
  Top w0.127: U2.8 165.45,73.89 162.63,73.89 v1(162.07,73.33) ; v1(137.87,39.92) 138.11,39.58 137.38,35.44 135.56,34.16 105.84,39.4 102.94,43.54 56.63,51.71 54.46,54.79 v1(23.4,60.27)
  Bottom w0.127: v1(162.07,73.33) 161.19,73.33 159.82,71.95 U1.8 150.89,63.24 148.33,61.45 146.72,52.3 138.84,46.78 137.68,40.2 v1(137.87,39.92) ; v1(23.4,60.27) 18.64,67.08 SW22.2 SW15.2 SW8.2 SW1.2 27.85,135.76 TP9.1
COL2: length 267.8
  Top w0.127: v1(161.2,74.29) 161.62,73.87 162.14,73.87 162.41,74.14 165.62,74.14 165.82,73.94 166.1,73.94 U2.9 ; v1(38.36,58.14) 54.41,55.31 56.77,51.94 103.49,43.7 v1(104.25,42.61) 106.39,39.56 135.5,34.43 137.15,35.59 137.74,38.91 v1(137.49,39.26)
  Bottom w0.127: v1(104.25,42.61) 101.49,40.67 99.73,30.7 D33.1 ; v1(38.36,58.14) 36.8,60.37 SW23.2 SW16.2 SW9.2 SW2.2 47.44,137.15 TP11.1 ; v1(161.2,74.29) 160.59,74.29 160.18,73.88 160.18,73.24 158.35,71.41 158.35,71.06 150.79,63.5 148.1,61.61 146.48,52.45 138.61,46.93 137.3,39.53 v1(137.49,39.26)
COL3: length 255.8
  Top w0.127: U2.10 166.91,73.84 166.58,73.84 166.23,74.19 165.93,74.19 165.73,74.39 164.47,74.39 164.42,74.44 163,74.44 v1(162.66,74.78) ; v1(137.12,38.62) 137.37,38.27 136.92,35.73 135.44,34.7 107.06,39.7 v1(105.17,42.4) 104.16,43.84 57.55,52.06 v1(55.32,55.25)
  Bottom w0.127: v1(162.66,74.78) 162.58,74.86 161.86,74.86 161.85,74.84 160.79,74.84 159.93,73.98 159.93,73.69 158.09,71.85 158.09,71.15 150.68,63.75 147.87,61.78 146.25,52.6 138.37,47.08 136.93,38.9 v1(137.12,38.62) ; TP13.1 67.03,138.53 SW3.2 66.15,117.15 SW10.2 ; v1(55.32,55.25) 55.25,55.34 SW24.2 SW17.2 SW10.2 ; v1(105.17,42.4) 104.66,42.04 104.06,42.15 101.71,40.5 99.64,28.74 D34.1
COL4: length 244.1
  Top w0.127: v1(164.16,75.18) 164.7,74.65 165.83,74.65 166.03,74.45 166.33,74.45 166.68,74.09 167.15,74.09 168.23,73.01 U2.11 ; v1(80.63,48.49) 80.82,48.21 104.81,43.98 v1(106.03,42.25) 107.71,39.84 135.38,34.97 136.64,35.85 136.96,37.65 v1(136.75,37.95)
  Bottom w0.127: v1(164.16,75.18) 163.89,75.46 162.11,75.46 161.75,75.1 160.68,75.1 158.6,73.01 U1.11 157.83,72.3 157.83,71.26 150.58,64 147.64,61.95 146.02,52.74 138.14,47.23 136.55,38.22 v1(136.75,37.95) ; TP15.1 87.03,142.26 SW4.2 SW11.2 83.12,103.66 SW18.2 SW25.2 81.03,80.37 78.69,67.11 82.87,61.13 80.76,49.12 ; v1(106.03,42.25) 105.22,41.69 104.12,41.88 101.94,40.36 99.55,26.78 D35.1 ; v1(80.63,48.49) 80.65,48.5 80.76,49.12 ; 80.76,49.12 SW29.2
